# KiCad board Mainboard.kicad_pcb (continued)
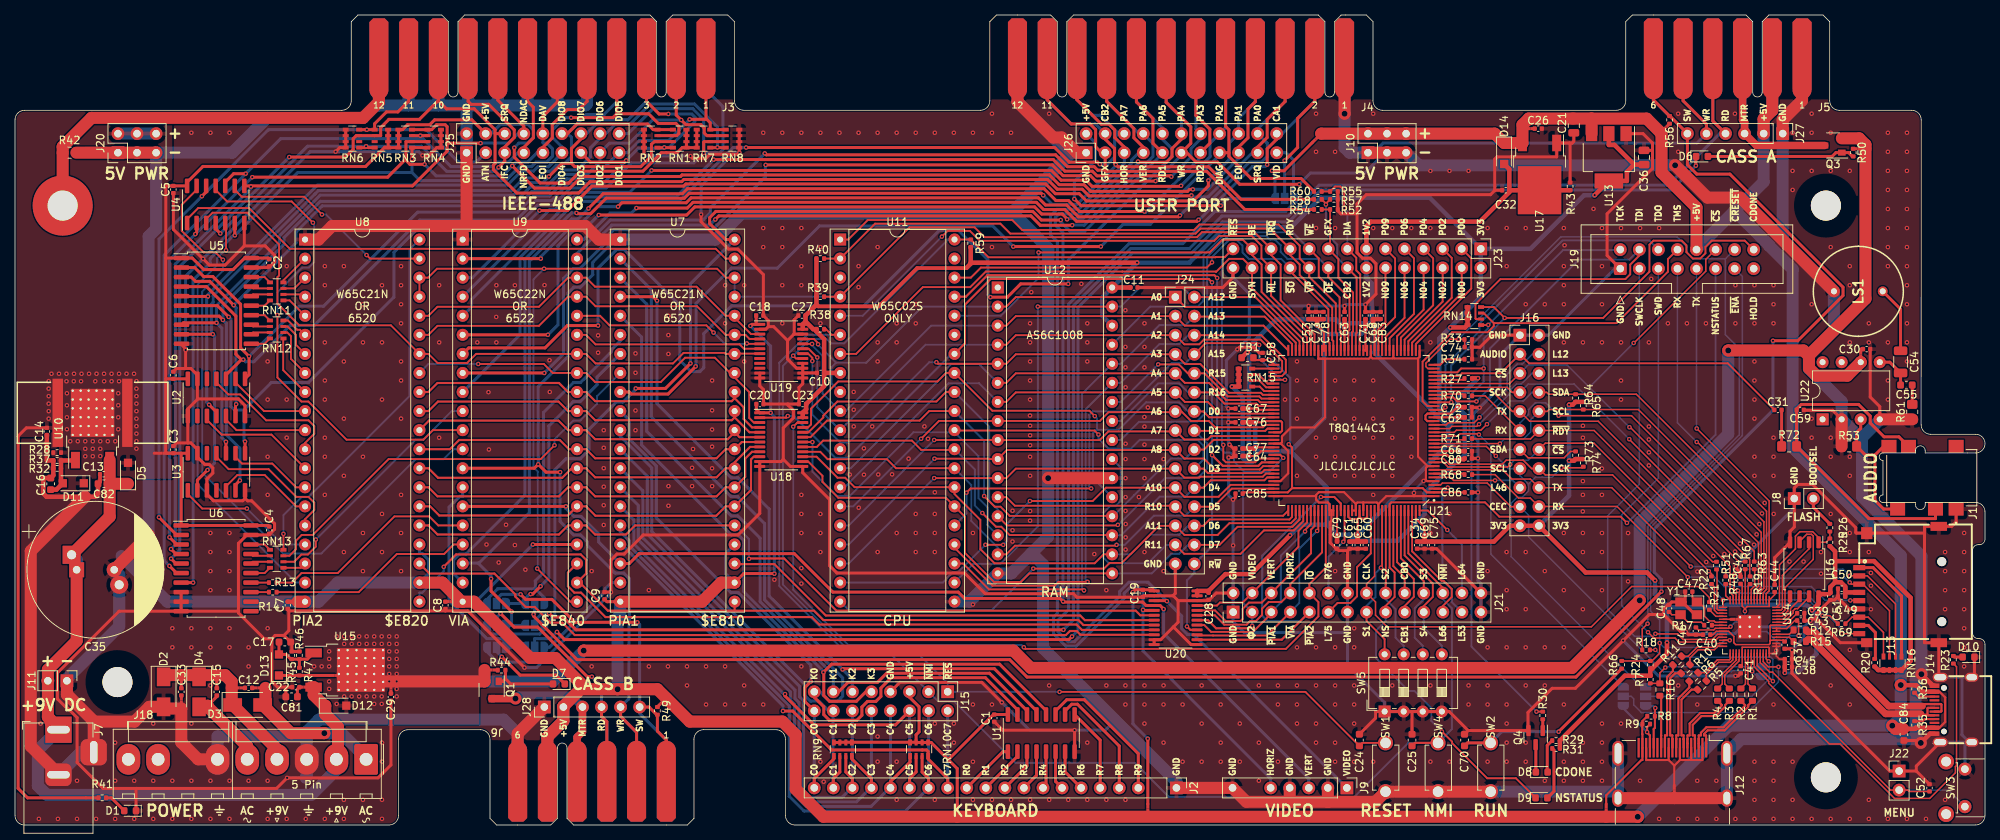
[diagram p0: board, top side]
## Routing (per net, layer and track width the routed paths; a pad name or vN(x,y) marks a point on that pad's centre or on a via; arc(x,y) is an arc through that point) (continued)
/IO/VIA_PA3: length 118
  Top w0.4: v1(154.08,86.4) 153.96,86.52 144.17,86.52 143.55,87.13 139.9,87.13 138.35,88.68 v1(93.09,88.68)
  Bottom w0.4: U9.5 60.85,69.07 60.85,70.06 72.21,81.42 72.22,81.42 74.51,83.71 88.12,83.71 v1(93.09,88.68) ; J4.F 157.35,97.98 157.35,92.75 J26.14 157.96,91.41 156.71,90.15 156.71,89.03 v1(154.08,86.4)
/IO/VIA_PA4: length 122.4
  Top w0.4: v1(77.79,81.29) 89.5,81.29 90.58,82.37 135.86,82.37 136.81,81.42 139.56,81.42 140.19,80.79 v1(140.19,80.72) ; U9.6 71,65.32 v1(71.01,65.33) ; J26.12 155.42,91.4 154.17,90.15 154.17,89.07 153.43,88.33 149.73,88.33 v1(149.64,88.42)
  Bottom w0.4: v1(140.19,80.72) 140.33,80.85 142.35,80.85 149.64,88.14 v1(149.64,88.42) ; J26.12 155.42,94.24 153.39,96.27 J4.H ; v1(71.01,65.33) 72.35,66.67 72.35,77.18 74.43,79.26 75.76,79.26 v1(77.79,81.29)
/IO/VIA_PA5: length 153.1
  Top w0.4: U9.7 60.45,63.58 70.62,63.58 73.59,66.56 v1(77.69,66.56) ; v1(129.98,70.34) 132.23,70.34 134,72.11 v1(140.34,72.11)
  Bottom w0.4: J4.J 149.43,96.37 152.88,92.92 J26.10 152.88,91.4 153.55,90.73 154.15,90.13 154.15,89.1 140.34,75.29 v1(140.34,72.11) ; v1(77.69,66.56) 77.69,74.22 80.15,76.69 81.17,76.69 88.58,69.27 88.58,61.95 90.12,60.42 91.26,60.42 91.78,60.94 91.78,65.49 95.47,69.19 110.5,69.19 110.51,69.19 113.12,69.19 123.16,79.24 125.72,79.24 129.63,75.32 129.63,70.69 v1(129.98,70.34)
/IO/VIA_PA6: length 123.5
  Top w0.4: U9.8 v1(70.52,60.24) ; v1(140.87,79.94) 140.85,79.92 136.62,79.92 135.36,81.17 93.79,81.17 v1(93.31,80.7)
  Bottom w0.4: v1(140.87,79.94) 142.47,79.94 151.63,89.09 151.63,90.85 J26.8 149.77,92.14 145.47,96.44 J4.K ; v1(93.31,80.7) 92.57,79.95 79.52,79.95 78.4,78.83 78.4,77.29 75.26,74.15 74.39,74.15 73.09,72.84 73.09,62.81 v1(70.52,60.24)
/IO/VIA_PA7: length 120.6
  Top w0.4: v1(97.42,90.29) 138.53,90.29 140.48,88.34 144.27,88.34 v1(144.55,88.06)
  Bottom w0.4: v1(97.42,90.29) 97.42,90.29 95.69,90.29 88.51,83.11 74.76,83.11 67.31,75.66 67.31,65.36 U9.9 ; J4.L 141.5,96.64 143.56,94.59 144.58,94.59 147,92.17 147,92.14 ; 147,92.14 146.53,91.67 146.53,89.03 145.56,88.06 v1(144.55,88.06) ; 147,92.14 J26.6
/Keyboard/R0: length 7.5
  Top w0.4: U1.1 131.65,9.77 J2.12
/Keyboard/R1: length 6.6
  Top w0.4: J2.11 133.57,9.16 U1.2
/Keyboard/R2: length 6
  Top w0.4: J2.10 134.84,7.89 U1.3
/Keyboard/R3: length 5.5
  Top w0.4: U1.4 136.11,6.62 J2.9
/Keyboard/R4: length 5
  Top w0.4: U1.5 137.38,5.35 J2.8
/Keyboard/R5: length 5.2
  Top w0.4: U1.6 138.65,5.81 J2.7
/Keyboard/R6: length 5.7
  Top w0.4: J2.6 139.92,7.08 U1.7
/Keyboard/R7: length 11.2
  Top w0.4: U1.9 144.6,11.32 J2.5
/Keyboard/R8: length 16
  Top w0.4: U1.10 139.92,15.21 140.81,16.1 141.57,16.1 147.14,10.53 J2.4
/Keyboard/R9: length 19.7
  Top w0.4: U1.11 138.65,15.21 140.14,16.7 142.48,16.7 149.68,9.5 J2.3
/MAGIC/BHORIZ: length 133.3
  Top w0.4: U20.5 150.38,28.6 v1(150.31,28.67) ; J26.5 147.8,90.35 146.53,91.62 146.53,92.64 145.78,93.39 144.77,93.39 141.5,96.65 J4.10
  Bottom w0.4: J9.5 167.31,6.2 150.31,23.2 v1(150.31,28.67) 150.31,31.09 149.65,31.75 148.67,31.75 147.8,30.88 147.8,30.22 141.41,23.83 140.04,23.83 138.37,25.5 138.37,27.68 138.9,28.2 138.9,77.72 137.98,78.64 137.98,81.2 138.84,82.06 141.72,82.06 147.8,88.14 J26.5
/MAGIC/BVIDEO: length 145.1
  Top w0.4: v1(153.49,29.83) 153.49,29.84 153.46,29.88 153.43,29.9 U20.3
  Bottom w0.4: J9.1 157.05,25.37 156.26,25.37 155.46,26.17 155.46,27.86 v1(153.49,29.83) 150.97,32.35 148.42,32.35 147.19,31.12 147.19,30.46 141.16,24.43 140.29,24.43 139,25.72 139,27.32 140.38,28.7 140.38,69.41 148.44,77.47 155.61,77.47 159.9,81.76 169.29,81.76 170.48,82.94 JP10.1 170.35,83.62 170.35,88.62 169.37,89.6 J26.21
/MAGIC/FPGA/AUDIO: length 49.6
  Top w0.25: C31.1 228.23,61.53 201.75,61.53 200.54,62.74 J16.3 200.52,62.74 197.97,60.19 192.81,60.19 192.44,59.83 U21.33
/MAGIC/FPGA/BE: length 62.9
  Top w0.25: v1(136.39,76.31) 159.17,76.31 160.85,77.98 163.63,77.98 J23.25 164.83,75.98 166.11,74.71 166.11,71.04 172.16,64.98 U21.67
  Bottom w0.25: U11.36 131.36,67.87 136.39,72.9 v1(136.39,76.31)
/MAGIC/FPGA/CBSEL0: length 11.6
  Top w0.25: J21.20 185.18,32.99 183.66,34.5 U21.137
/MAGIC/FPGA/CBSEL1: length 15
  Top w0.25: J21.19 185.18,29.19 186.39,30.41 186.39,32.8 184.16,35.03 U21.138
/MAGIC/FPGA/CBUS0: length 3.4
  Top w0.25: RN15.3 165.69,60.03 166.89,58.83 167.74,58.83
/MAGIC/FPGA/CBUS1: length 3.3
  Top w0.25: 167.74,58.33 166.71,58.33 165.81,59.23 RN15.2
/MAGIC/FPGA/CBUS2: length 3.1
  Top w0.25: 167.74,57.83 166.45,57.83 165.85,58.43 RN15.1
/MAGIC/FPGA/CDONE: length 112.6
  Top w0.25: RN14.4 197.05,69.03 v1(198.5,67.58) 211.63,67.58 217.79,73.74 217.79,77.34 218.33,77.88 222.1,77.88 222.71,77.27 222.71,76.36 223.57,75.5 224.55,75.5 225.25,76.2 225.25,77.04 226.09,77.88 230.49,77.88 J19.16 ; R30.2 203.57,15.11 v1(202.74,15.11) ; v1(195.7,60.84) 192.7,60.84 192.19,60.33 U21.34
  Bottom w0.25: v1(202.74,15.11) 194.07,23.78 194.07,51.27 193.82,51.52 193.82,57.19 195.7,59.07 v1(195.7,60.84) 195.7,64.78 v1(198.5,67.58)
/MAGIC/FPGA/CEC: length 58.7
  Top w0.2: J16.19 199.32,42.42 196.17,45.57 190.2,45.57 189.96,45.33 U21.4 ; v1(231.48,20.48) 231.34,20.61 U14.36
  Bottom w0.2: JP7.1 232.16,19.79 v1(231.48,20.48) 231.37,20.58 228.83,20.58 228.67,20.42 219.66,20.42 201.69,38.4 201.69,41.27 200.54,42.42 J16.19
/MAGIC/FPGA/CSI: length 4.1
  Top w0.25: U21.32 192.96,59.33 R27.1
/MAGIC/FPGA/DIAG: length 25.7
  Top w0.25: J23.15 178.72,75.59 178.72,73.91 179.25,73.39 179.25,65.39 179.16,65.3 U21.53 ; v1(177.12,82.21) 177.12,84.56 176.59,85.09 175.9,85.09 R55.1 R60.1
  Bottom w0.25: v1(177.12,82.21) 177.53,81.79 J23.15
/MAGIC/FPGA/FPGA_CLK: length 63.5
  Top w0.2: U21.132 181.16,33.17 180.09,32.11 J21.16 181.29,29.72 181.29,27.97 182.84,26.41 210.05,26.41 215.42,31.78 224.3,31.78 225.77,30.31 R21.1
/MAGIC/FPGA/FPGA_SPI0_TX: length 4.2
  Top w0.2: U21.28 190.03,57.33 190.13,57.44 192.89,57.44 R70.2
/MAGIC/FPGA/FPGA_SPI1_TX: length 4.1
  Top w0.28: U21.7 193.01,46.83 R68.2
/MAGIC/FPGA/FPGA_SPI1_~{READY}: length 4.1
  Top w0.2: R71.2 192.96,51.33 U21.16
/MAGIC/FPGA/GRAPHICS: length 21.4
  Top w0.25: R54.1 R52.1 175.24,77.03 J23.17 176.34,75.44 176.34,72.91 178.29,70.96 178.29,65.79 178.16,65.66 U21.55
/MAGIC/FPGA/I2C0_SCL: length 59.7
  Top w0.2: U21.14 189.08,50.33 190.01,50.33 190.13,50.45 196.06,50.45 v1(197.33,49.19) ; v1(206.07,47.61) 208.84,47.61 R74.2
  Bottom w0.2: 201.67,45.42 200.52,46.56 J16.15 199,47.5 197.33,49.18 v1(197.33,49.19) ; 201.67,45.42 201.67,44.52 200.84,43.69 200.16,43.69 199.35,42.87 199.35,35.78 216.69,18.44 JP9.1 ; 201.67,45.42 202.61,46.35 204.81,46.35 v1(206.07,47.61)
/MAGIC/FPGA/I2C0_SDA: length 59.8
  Top w0.2: R73.2 207.28,49.79 206.42,48.94 201.63,48.94 J16.13 ; v1(195.06,52.04) 194.97,52.13 192.54,52.13 192.24,51.83 U21.17
  Bottom w0.2: 196.76,50.04 196.67,49.95 196.67,36.09 JP8.1 ; 196.76,50.04 J16.13 ; 196.76,50.04 196.76,50.34 v1(195.06,52.04)
/MAGIC/FPGA/I2C1_SCL: length 62.5
  Top w0.2: U14.5 232.15,31.18 232.68,31.71 232.68,39 216.31,55.37 R65.2 204.41,55.37 204.16,55.12 J16.10 ; v1(197.86,50.83) 197.86,50.83 189.08,50.83 U21.15
  Bottom w0.2: v1(197.86,50.83) 198.43,51.4 200.98,51.4 201.96,52.38 201.96,54.02 J16.10
/MAGIC/FPGA/I2C1_SDA: length 63.9
  Top w0.2: v1(196.14,53.42) 195.33,52.61 192.07,52.61 191.79,52.33 U21.18 ; 233.04,40.37 233.04,40.41 216.04,57.41 R64.2 204.35,57.41 204.1,57.66 J16.8 ; U14.4 232.54,31.07 233.04,31.56 233.04,40.34
  Bottom w0.2: v1(196.14,53.42) 199.23,56.51 200.98,56.51 202.13,57.66 J16.8
/MAGIC/FPGA/L12: length 19.1
  Top w0.2: v1(195.14,54.32) 194.43,53.61 190.98,53.61 190.7,53.33 U21.20
  Bottom w0.2: v1(195.14,54.32) 198.83,58.02 198.83,60.09 200.18,61.44 200.86,61.44 202.17,62.74 J16.4
/MAGIC/FPGA/L13: length 17.2
  Top w0.2: v1(195.08,53.41) 194.8,53.13 191.47,53.13 191.17,52.83 U21.19
  Bottom w0.2: J16.6 202.13,60.2 200.69,58.76 200.07,58.76 199.35,58.04 199.35,57.68 v1(195.08,53.41)
/MAGIC/FPGA/L46: length 12
  Top w0.2: U21.6 191.28,46.33 191.69,45.92 v1(197.22,45.92)
  Bottom w0.2: v1(197.22,45.92) 199.56,45.92 J16.17
/MAGIC/FPGA/L53: length 19.9
  Top w0.28: U21.3 190.78,44.83 v1(190.92,44.97)
  Bottom w0.28: J21.25 191.45,29.72 191.45,31.41 190.19,32.66 190.19,44.24 v1(190.92,44.97)
/MAGIC/FPGA/L64: length 14
  Top w0.25: v1(190.85,39.32) 190.85,39.32 188.26,41.91 U21.144
  Bottom w0.25: J21.26 192.8,37.37 192.6,37.56 191.64,38.52 v1(190.85,39.32)
/MAGIC/FPGA/L66: length 16.4
  Top w0.25: U21.142 186.16,36.47 190.1,32.54 190.37,32.54 191.45,31.45 191.45,30.39 190.25,29.19 J21.23
/MAGIC/FPGA/L75: length 16.9
  Top w0.25: J21.11 175.01,28.38 176.23,29.6 177.95,29.6 178.83,30.48 178.83,34.36 180.66,36.2 U21.131
/MAGIC/FPGA/N00: length 13.7
  Top w0.25: 192.77,74.24 192.77,70.9 186.16,64.28 U21.39
/MAGIC/FPGA/N02: length 13.1
  Top w0.25: 190.24,74.24 190.24,69.76 185.16,64.69 U21.41
/MAGIC/FPGA/N04: length 12.5
  Top w0.25: 187.69,74.24 187.69,68.67 184.16,65.14 U21.43
/MAGIC/FPGA/N06: length 12
  Top w0.25: U21.46 182.66,65.1 185.15,67.59 185.15,74.24
/MAGIC/FPGA/N09: length 11.4
  Top w0.25: U21.48 181.66,66.05 182.62,67 182.62,74.24
/MAGIC/FPGA/NSTATUS: length 123.6
  Top w0.25: J21.17 182.63,29.19 183.83,30.39 183.83,33.66 183.16,34.32 U21.136 183.16,42.79 183.37,43 195.87,43 197.78,41.09 213.96,41.09 v1(214.79,40.26) ; D9.1 199.99,6.23 196.17,6.23 191.5,10.9 191.5,11.1 v1(190.13,12.47)
  Bottom w0.25: J21.17 182.63,27.18 181.35,25.9 181.35,22.23 185.72,17.87 186.47,17.87 188.72,15.62 188.72,13.88 v1(190.13,12.47) ; v1(214.79,40.26) 214.84,40.26 226.6,52.02 J19.11
/MAGIC/FPGA/P00: length 17.1
  Top w0.25: J23.3 192.77,76.78 194.05,75.51 194.05,71.49 186.66,64.1 U21.38
/MAGIC/FPGA/P02: length 16.4
  Top w0.25: J23.5 191.44,75.57 191.44,70.27 185.66,64.48 U21.40
/MAGIC/FPGA/P04: length 15.8
  Top w0.25: U21.42 184.66,64.95 188.97,69.26 188.97,75.51 J23.7
/MAGIC/FPGA/P06: length 15.4
  Top w0.25: U21.45 183.16,64.87 186.41,68.11 186.41,75.53 J23.9
/MAGIC/FPGA/P09: length 14.8
  Top w0.25: U21.47 182.16,65.96 183.9,67.69 183.9,75.5 J23.11
/MAGIC/FPGA/R76: length 11.9
  Top w0.25: v1(177,37.74) 177.16,37.91 U21.124
  Bottom w0.25: v1(177,37.74) 175.02,35.76 175.02,32.11 175.01,32.11 J21.12
/MAGIC/FPGA/RDY: length 81.9
  Top w0.25: R40.1 U11.2 114.6,80.14 131.29,80.14 132.62,78.82 157.31,78.82 157.97,79.49 167.21,79.49 J23.21 169.91,75.96 171.19,74.69 171.19,73.28 175.51,68.96 175.51,67.98 175.51,67.98 175.51,64.66 175.66,64.51 U21.60
/MAGIC/FPGA/REF_RES: length 4.4
  Top w0.28: U21.36 189.89,61.33 190.63,62.07 R34.2
/MAGIC/FPGA/S1: length 21
  Top w0.25: SW5.8 182.5,24.78 180.09,27.18 J21.15 ; v1(182.01,34.29) 182.16,34.44 U21.134
  Bottom w0.25: v1(182.01,34.29) 181.29,33.57 181.29,30.38 180.09,29.19 J21.15
/MAGIC/FPGA/S2: length 20.2
  Top w0.25: J21.18 182.63,32.11 182.66,32.13 U21.135
  Bottom w0.25: J21.18 182.63,30.09 183.95,28.78 183.95,24.97 185.04,23.89 SW5.7
/MAGIC/FPGA/S3: length 21.4
  Top w0.25: U21.139 184.66,35.55 187.71,32.5 J21.22
  Bottom w0.25: SW5.6 187.58,23.89 186.52,24.95 186.52,28.89 187.71,30.09 J21.22
/MAGIC/FPGA/S4: length 22.2
  Top w0.25: U21.140 185.16,35.93 188.92,32.17 188.92,30.4 187.71,29.19 J21.21
  Bottom w0.25: SW5.5 190.12,23.89 187.72,26.29 187.72,27.18 187.71,27.18 J21.21
/MAGIC/FPGA/SPI0_RX: length 58.2
  Top w0.2: R70.1 195.91,57.19 J16.11 ; v1(205.68,54.55) 215.4,54.55 232.32,37.62 232.32,31.85 231.75,31.28 U14.6
  Bottom w0.2: v1(205.68,54.55) 203.96,56.27 202.59,56.27 201.68,55.36 201.68,54.71 200.52,53.56 J16.11
/MAGIC/FPGA/SPI0_SCK: length 54.8
  Top w0.2: R19.1 231.15,33.19 231.15,35.37 230.89,35.63 230.87,35.63 215.1,51.4 v1(215.1,51.42) ; J16.7 199.5,57.66 198.83,58.33 U21.30
  Bottom w0.2: v1(215.1,51.42) 207.75,58.77 201.63,58.77 J16.7
/MAGIC/FPGA/SPI0_TX: length 50.9
  Top w0.2: R67.1 229.66,35.11 210.97,53.8 201.84,53.8 J16.9 199.53,55.12 196.82,57.83 U21.29
/MAGIC/FPGA/SPI0_~{CS}: length 80.7
  Top w0.2: v1(215.13,53.01) 215.22,53.01 231.75,36.48 R63.1 ; v1(215.69,64.24) 215.73,64.24 225.29,73.81 225.29,75.38 J19.12 ; J16.5 199.15,58.83 U21.31
  Bottom w0.2: 209.79,58.34 206.83,61.3 201.63,61.3 J16.5 ; 209.79,58.34 215.12,53.01 v1(215.13,53.01) ; 209.79,58.34 v1(215.69,64.24)
/MAGIC/FPGA/SPI1_RX: length 58.1
  Top w0.2: R69.2 241.81,27.9 v1(240.83,27.9) ; R68.1 197.22,46.7 200.35,43.57 201.91,43.57 J16.20 203.1,42.45 213.47,42.45 v1(222.89,33.04) ; v1(227.59,30) 227.59,30 U14.15
  Bottom w0.2: v1(240.83,27.9) 240.83,28.14 238.97,30 v1(227.59,30) 227.59,30.01 224.56,33.04 v1(222.89,33.04)
/MAGIC/FPGA/SPI1_SCK: length 65.8
  Top w0.2: U21.11 190.35,48.83 191.08,48.09 198.18,48.09 198.71,48.62 200.97,48.62 202.09,47.5 J16.16 203.91,46.65 212.88,46.65 v1(225.7,33.83) 226.05,33.48 R22.1 ; v1(244.56,29.93) 245.71,29.93 J13.5
  Bottom w0.2: v1(225.7,33.83) 227.75,31.78 239.36,31.78 241.21,29.93 v1(244.56,29.93)
/MAGIC/FPGA/SPI1_TX: length 76.1
  Top w0.2: v1(244.47,32.33) 244.7,32.1 246.29,32.1 ; R48.1 227.95,33.63 v1(227.72,33.86) ; U21.8 198.23,47.33 199.46,46.1 201.92,46.1 J16.18 212.77,44.96 v1(223.29,34.44) ; 246.29,32.1 J13.3 ; 246.29,32.1 246.29,32.04 249.77,28.55 RN16.3
  Bottom w0.2: v1(223.29,34.44) 227.14,34.44 v1(227.72,33.86) 227.72,33.74 228.57,32.89 243.91,32.89 v1(244.47,32.33)
/MAGIC/FPGA/SPI1_~{CS}: length 45.8
  Top w0.2: J16.14 203.91,50.89 210.39,50.89 226.19,35.08 226.72,35.08 ; U21.10 190.34,48.33 190.95,47.71 198.89,47.71 v1(199.23,48.05)
  Bottom w0.2: v1(199.23,48.05) 199.78,48.6 201.63,48.6 J16.14
/MAGIC/FPGA/SPI1_~{READY}: length 47
  Top w0.2: U14.13 228.94,30.57 228.53,30.99 228.53,34.47 210.42,52.58 J16.12 201.94,51.45 194.22,51.45 R71.1
/MAGIC/FPGA/SWCLK: length 64.8
  Top w0.2: U14.24 226.86,25.41 226.18,24.73 222.27,24.73 221.53,25.47 218.6,25.47 v1(218.59,25.48)
  Bottom w0.2: J19.3 216.44,45.41 212.22,41.19 212.22,28.73 215.81,25.14 218.25,25.14 v1(218.59,25.48)
/MAGIC/FPGA/SWD: length 62.7
  Top w0.2: U14.25 226.98,25.01 226.35,24.38 221.74,24.38 221.2,24.92 218.37,24.92 v1(217.6,25.69)
  Bottom w0.2: J19.5 218.98,46.21 214.09,41.32 214.09,29.24 217.6,25.73 v1(217.6,25.69)
/MAGIC/FPGA/SYNC: length 74.5
  Top w0.25: U21.68 171.66,64.69 164.83,71.52 164.83,74.24 163.63,75.45 161.78,75.45 160.05,73.72 160,73.76 147.55,73.76 147.55,73.76 129.36,73.76 127.28,71.68 120.97,71.68 112.08,62.79 U11.7
/MAGIC/FPGA/TCK: length 37.4
  Top w0.25: RN14.1 196.09,66.63 196.11,66.65 v1(196.31,66.65) ; U21.26 191.35,56.33 v1(191.37,56.35)
  Bottom w0.25: J19.2 213.82,76.61 206.27,76.61 v1(196.31,66.65) 196.31,66.2 191.37,61.27 v1(191.37,56.35)
/MAGIC/FPGA/TDI: length 67.9
  Top w0.25: RN14.2 194.67,67.43 194.61,67.49 194.61,69.42 197.93,72.75 214.58,72.75 215.23,73.4 215.23,74.68 216.44,75.89 J19.4 ; v1(194.73,56.45) 192.18,56.45 191.64,56.99 190.72,56.99 190.56,56.83 U21.27
  Bottom w0.25: v1(194.73,56.45) 196.52,58.24 196.52,63.49 208.37,75.34 215.09,75.34 J19.4
/MAGIC/FPGA/TDO: length 43.6
  Top w0.25: U21.24 190.27,55.33 v1(190.6,55.66)
  Bottom w0.25: J19.6 217.76,77.91 206.21,77.91 195.16,66.85 195.16,65.84 190.6,61.28 v1(190.6,55.66)
/MAGIC/FPGA/TMS: length 50.7
  Top w0.25: RN14.3 195.7,68.23 197.05,66.89 ; 197.05,66.89 213.4,66.89 220.25,73.74 220.25,75.42 J19.8 ; 197.05,66.89 197.05,66.48 196.24,65.67 191.49,65.67 187.56,61.74 187.56,56.48 188.21,55.83 U21.25
/MAGIC/FPGA/UART_RX: length 49.3
  Top w0.2: U14.3 232.94,30.96 233.39,31.41 233.39,41.82 224.17,51.04 v1(224.09,51.04)
  Bottom w0.2: J19.7 221.52,53.61 v1(224.09,51.04)
/MAGIC/FPGA/UART_TX: length 48.4
  Top w0.2: U14.2 233.34,30.81 233.74,31.21 233.74,43.19 v1(224.09,52.84)
  Bottom w0.2: J19.9 224.06,52.87 v1(224.09,52.84)
/MAGIC/FPGA/VIA_CB2: length 22.9
  Top w0.25: 177.53,74.24 178.77,73.01 178.77,65.59 178.66,65.48 U21.54 ; v1(174.68,82.69) 174.68,82.82 ; 174.68,82.82 R58.1 ; 174.68,82.82 R57.1
  Bottom w0.25: v1(174.68,82.69) 174.68,78.87 176.19,77.36 176.19,75.59 177.53,74.24
/MAGIC/FPGA/~{CRESET}: length 112
  Top w0.2: R18.2 216.83,26.12 v1(217.54,26.83) ; U21.35 188.27,60.83 188,61.09 188,61.55 191.19,64.74 v1(192.34,64.74) 193.1,64.74 R33.1 193.17,64.67 C74.1
  Bottom w0.2: v1(217.54,26.83) 217.59,26.88 217.59,39.82 229.77,52 229.77,63.49 227.9,65.36 227.9,75.45 ; 227.9,75.45 223.59,75.45 222.79,76.25 222.79,77.05 221.47,78.38 205.98,78.38 v1(192.34,64.74) ; 227.9,75.45 J19.14
/MAGIC/FPGA/~{IRQ}: length 191.2
  Top w0.25: U9.21 73.99,29.76 71.81,31.95 v1(69.59,34.17) ; U21.65 173.16,65.41 168.65,69.93 168.65,74.69 167.38,75.96 J23.23 165.15,79.01 158.17,79.01 157.51,78.34 129.18,78.34 127.85,79.66 119.2,79.66 U11.4 107.82,70.41 R39.2 ; U8.37 U8.38 55.03,72.94 56.22,74.13 v1(70.5,74.13) 93.56,74.13 94.75,72.94 U7.38
  Bottom w0.25: v1(69.59,34.17) 69.65,34.23 69.65,47.11 69.08,47.68 69.08,72.71 v1(70.5,74.13) ; U11.4 97.04,70.41 97.03,70.4 U7.37 U7.38
/MAGIC/FPGA/~{ML}: length 78.9
  Top w0.25: v1(123.51,78.42) 124.26,79.18 127.24,79.18 128.55,77.86 159.8,77.86 160.45,78.5 164.8,78.5 166.09,77.22 166.09,75.53 167.38,74.24 167.38,70.52 172.66,65.23 U21.66
  Bottom w0.25: U11.5 112.96,67.87 v1(123.51,78.42)
/MAGIC/FPGA/~{RAM_OE}: length 66.6
  Top w0.25: 175,74.24 175,73.04 177.81,70.22 177.81,65.99 177.66,65.84 U21.56
  Bottom w0.25: 175,74.24 173.8,75.44 169.57,75.44 168.65,76.36 168.65,77.27 167.92,78 167.24,78 166.76,78.48 161.6,78.48 158.86,75.73 158.86,55.13 157.49,53.76 154.12,53.76 154.08,53.73 149.75,53.73 147.33,51.31 U12.24
/MAGIC/FPGA/~{RAM_WE}: length 52.2
  Top w0.25: U21.58 176.66,65.82 176.5,65.98 176.5,70.32 173.72,73.09 173.72,75.51 J23.19
  Bottom w0.25: J23.19 170.25,78.98 161.43,78.98 158.36,75.91 158.36,69.85 157.59,69.08 151.26,69.08 U12.29
/MAGIC/FPGA/~{SO}: length 62.5
  Top w0.25: v1(159.5,74.98) 158.81,74.29 128.71,74.29 127.37,72.95 U11.38 ; U21.61 175.16,64.25 175,64.41 175,68.72 169.91,73.81 169.91,74.24
  Bottom w0.25: 169.91,74.24 168.72,75.44 164.43,75.44 163.57,76.3 163.57,77.21 162.78,77.99 161.8,77.99 159.5,75.69 v1(159.5,74.98)
/MAGIC/FPGA/~{SPI_ENA}: length 73.6
  Top w0.2: U14.26 228.48,24.61 v1(228.48,24.62) ; v1(219.15,24.25) 219.15,24.25 219.15,22.89 218.12,21.86 R24.2 R66.2
  Bottom w0.2: J19.13 230.17,73.12 230.17,51.9 217.94,39.67 217.94,28.52 219.15,27.31 v1(219.15,24.25) 219.72,23.67 226.83,23.67 227.77,24.62 v1(228.48,24.62)
/MAGIC/FPGA/~{TEST}: length 2.9
  Top w0.25: 167.74,60.83 RN15.4
/MAGIC/FPGA/~{VP}: length 80.3
  Top w0.25: U11.1 111.03,78.03 113.63,80.63 132.89,80.63 134.21,79.3 157.11,79.3 157.83,80.02 168.37,80.02 171.19,77.2 171.19,75.51 172.45,74.24 172.45,73.05 173.24,72.26 173.24,72.26 176,69.51 176,65.65 176.16,65.48 U21.59
/MAGIC/HORIZ: length 27.9
  Top w0.25: U20.19 159.87,27.95 161.12,26.7 164.11,26.7 164.59,27.18 165.35,27.18 166.16,28 166.16,28.83 167.05,29.72 168.74,29.72 J21.8 169.94,32.11 174.16,36.33 U21.118
/MAGIC/MCU/DVI/CEC: length 16.6
  Top w0.2: R7.2 R16.1 219.18,20.26 v1(219.9,20.99)
  Bottom w0.2: JP7.2 220,21.09 v1(219.9,20.99)
/MAGIC/MCU/DVI/DVI_CK+: length 6
  Top w0.2: 227.59,23.81 227.14,23.81 227.11,23.85 226.93,23.85 226.44,23.36 224.27,23.36 223.17,22.25 223.17,22.04 R10.1
/MAGIC/MCU/DVI/DVI_CK-: length 6.2
  Top w0.2: U14.27 227.57,24.21 227.14,24.21 227.11,24.18 226.8,24.18 226.3,23.69 224.14,23.69 222.94,22.49 R11.1
/MAGIC/MCU/DVI/DVI_D0+: length 6.1
  Top w0.2: U14.30 228.95,22.41 228.91,22.38 228.91,22.02 228.57,21.68 226.98,21.68 225.36,20.07 225.36,19.95 R5.1
/MAGIC/MCU/DVI/DVI_D0-: length 5.8
  Top w0.2: U14.29 228.54,22.64 228.54,22.64 228.54,22.41 228.58,22.38 228.58,22.16 228.44,22.01 226.84,22.01 225.13,20.3 R6.1
/MAGIC/MCU/DVI/DVI_D1+: length 5.7
  Top w0.2: R3.1 227.82,18.8 227.82,19.96 229.71,21.85 229.71,22 229.75,22.04 229.75,22.45 U14.32
/MAGIC/MCU/DVI/DVI_D1-: length 5.9
  Top w0.2: 229.35,22.24 229.35,22.45 ; 229.35,22.24 229.35,22.04 229.38,22 229.38,21.99 227.49,20.1 227.49,18.8 R4.1 ; 229.34,22.25 U14.31
/MAGIC/MCU/DVI/DVI_D2+: length 4.9
  Top w0.2: U14.35 230.94,22.45 230.95,22.45 230.95,22.04 230.91,22 230.91,18.8 231.21,18.5 231.48,18.23 231.5,18.21 ; 231.51,18.21 R1.1 ; 231.5,18.21 231.51,18.2
/MAGIC/MCU/DVI/DVI_D2-: length 5.1
  Top w0.2: U14.34 230.54,22.24 230.54,22.24 ; 230.54,22.24 230.54,22.04 230.58,22 230.58,18.8 229.97,18.19 R2.1 ; 230.54,22.24 230.54,22.45
/MAGIC/MCU/DVI/HDMI_CEC: length 7
  Top w0.28: R16.2 219.35,17.05 219.35,11.95 219.35,11.95 J12.13
/MAGIC/MCU/DVI/HDMI_CK+: length 12.4
  Top w0.28: 220.85,11.45 220.84,11.46 220.84,11.94 220.56,11.94 220.56,19.57 221.21,20.22 R10.2 ; 220.85,11.45 220.85,11.45 ; 220.85,11.45 J12.10 220.85,11.45
/MAGIC/MCU/DVI/HDMI_CK-: length 11.6
  Top w0.28: J12.12 219.85,11.45 219.86,11.46 219.86,11.94 220.14,11.94 220.14,19.74 220.92,20.51 R11.2
/MAGIC/MCU/DVI/HDMI_D0+: length 9.4
  Top w0.28: R5.2 224.2,18.04 223.39,18.04 222.06,16.7 222.06,11.94 222.34,11.94 222.34,11.46 222.35,11.45 222.35,11.44 ; 222.35,11.44 J12.7 ; 222.35,11.44 222.35,11.42
/MAGIC/MCU/DVI/HDMI_D0-: length 9.7
  Top w0.28: 221.35,11.45 221.36,11.46 221.36,11.94 221.65,11.94 221.65,16.87 223.1,18.33 223.1,18.73 223.1,18.73 R6.2 ; 221.35,11.45 221.35,11.45 ; 221.35,11.45 J12.9
/MAGIC/MCU/DVI/HDMI_D1+: length 9.6
  Top w0.28: 223.85,11.44 J12.4 ; 223.85,11.44 223.85,11.44 ; 223.85,11.44 223.85,11.45 223.84,11.46 223.84,11.94 223.56,11.94 223.56,13.35 224.72,14.52 226.59,14.52 227.86,15.78 227.86,15.97 R3.2
/MAGIC/MCU/DVI/HDMI_D1-: length 9.6
  Top w0.28: J12.6 222.85,10.88 222.85,11.45 222.86,11.46 222.86,11.94 223.15,11.94 223.15,13.52 224.55,14.93 226.42,14.93 227.45,15.95 227.45,15.97 R4.2
/MAGIC/MCU/DVI/HDMI_D2+: length 10.6
  Top w0.28: R1.2 231.51,16.53 R1.2 ; R1.2 231.48,16.51 231.45,16.47 231.38,16.4 231.24,16.26 230.95,15.97 230.95,15.75 227.81,12.62 225.54,12.62 225.06,12.13 225.06,11.94 225.34,11.94 225.34,11.46 225.35,11.45 225.35,10.88 J12.1
/MAGIC/MCU/DVI/HDMI_D2-: length 10.5
  Top w0.28: J12.3 224.35,10.88 224.35,11.45 224.36,11.46 224.36,11.94 224.65,11.94 224.65,12.3 225.37,13.03 227.64,13.03 230.54,15.92 230.54,15.97 229.97,16.54 R2.2
/MAGIC/MCU/DVI/SCL: length 6.8
  Top w0.28: J12.15 218.35,12.78 218.52,12.95 R8.2 218.52,15.55 v1(218.57,15.6)
  Bottom w0.28: v1(218.57,15.6) 218.33,15.84 JP9.3
/MAGIC/MCU/DVI/SDA: length 8.3
  Top w0.28: R9.2 217.47,13.05 v1(217.47,12.38) 217.47,12.32 217.85,11.95 J12.16
  Bottom w0.28: JP8.3 214.31,15.55 v1(217.47,12.38)
/MAGIC/MCU/Flash/SCK: length 4.9
  Top w0.2: U16.6 237.79,30.06 236.58,28.85 236.58,28.4 235.6,27.41 U14.52
/MAGIC/MCU/Flash/SD0: length 3.9
  Top w0.2: 234.69,27.81 235.5,27.81 235.64,27.96 235.65,27.96 236.2,28.51 236.2,28.52 236.21,28.52 236.21,29.33 236.52,29.64 U16.5
/MAGIC/MCU/Flash/SD1: length 11.2
  Top w0.2: U14.55 235.3,28.61 235.5,28.81 235.5,33.25 239.06,36.81 U16.2
/MAGIC/MCU/Flash/SD2: length 15.2
  Top w0.2: U14.54 234.7,28.21 235.4,28.21 235.85,28.66 235.85,31.64 239.62,35.4 239.62,38.5 239.38,38.74 238.74,38.74 237.79,37.79 U16.3
/MAGIC/MCU/Flash/SD3: length 6
  Top w0.2: U16.7 239.06,30.37 237.53,28.83 237.22,28.83 236.94,28.55 236.94,28.25 235.7,27.01 U14.51
/MAGIC/MCU/Flash/~{CS}: length 17.5
  Top w0.2: U14.56 235.12,29.43 235.12,34.67 237.24,36.8 237.24,38.49 237.84,39.09 239.54,39.09 240.33,38.3 U16.1 241.32,37.67 R25.2 R26.2
/MAGIC/MCU/GP25: length 52.2
  Top w0.2: U14.37 231.75,21.08 233.68,19.15 233.68,18.89 241.76,10.8 243.19,10.8 250.44,3.54 255.14,3.54 258.56,6.96 258.56,7.77 258.71,7.92 258.71,21.09 R23.1
/MAGIC/MCU/GP27: length 40.6
  Top w0.2: U14.39 232.54,21.64 233.81,20.37 234.19,20.37 249.91,4.65 J22.2 252.21,4.65 252.39,4.47 C52.1
  Bottom w0.2: J22.2 257.62,4.65 SW3.2
/MAGIC/MCU/MCU_FPGA_CLK: length 2.2
  Top w0.2: 227.59,27.81 226.64,27.81 R21.2
/MAGIC/MCU/MCU_I2C0_SCL: length 21
  Top w0.2: U14.41 233.34,22.14 v1(233.67,21.82)
  Bottom w0.2: JP9.2 231.41,17.14 233.75,19.48 233.75,21.74 v1(233.67,21.82)
/MAGIC/MCU/MCU_I2C0_SDA: length 29.2
  Top w0.2: U14.40 232.94,21.76 233.63,21.07 v1(234.98,21.07)
  Bottom w0.2: JP8.2 215.36,17.15 215.69,16.81 215.69,16.01 216.71,14.99 230.89,14.99 234.98,19.08 v1(234.98,21.07)
/MAGIC/MCU/MCU_SPI0_SCK: length 2.3
  Top w0.2: R19.2 230.94,31.86 U14.8
/MAGIC/MCU/MCU_SPI0_TX: length 4.1
  Top w0.2: U14.9 R67.2
/MAGIC/MCU/MCU_SPI0_~{CS}: length 4.3
  Top w0.2: U14.7 231.34,31.39 231.81,31.85 231.81,34.03 R63.2
/MAGIC/MCU/MCU_SPI1_SCK: length 5
  Top w0.2: U14.17 226.85,28.21 226.44,28.62 226.44,30.58 226.44,30.58 226.44,31.72 R22.2
/MAGIC/MCU/MCU_SPI1_TX: length 2.4
  Top w0.2: U14.14 227.95,30.56 R48.2
/MAGIC/MCU/MCU_SPI1_~{CS}: length 6.2
  Top w0.2: R51.2 226.79,34 226.79,33.99 226.79,28.81 226.99,28.61 U14.16
/MAGIC/MCU/MCU_TESTEN: length 1
  Top w0.2: PT2.2 U14.19
/MAGIC/MCU/MCU_USB_D+: length 2.5
  Top w0.2: R12.1 236.93,25.91 236.86,25.84 236.72,25.7 236.43,25.41 U14.47
/MAGIC/MCU/MCU_USB_D-: length 2.5
  Top w0.2: U14.46 236.43,25.01 R15.1
/MAGIC/MCU/MCU_~{CRESET}: length 24.4
  Top w0.2: v1(218.58,23.34) 217.86,23.34 R18.1 ; v1(234.24,19.17) 232.15,21.26 U14.38
  Bottom w0.2: v1(218.58,23.34) 219.55,22.37 233.95,22.37 234.24,22.09 v1(234.24,19.17)
/MAGIC/MCU/SD_DETECT: length 20.2
  Top w0.2: U14.11 229.75,31.08 v1(229.6,31.23) ; J13.9 v1(243.42,25.5)
  Bottom w0.2: v1(229.6,31.23) 229.93,30.9 238.63,30.9 243.42,26.11 v1(243.42,25.5)
